# Altium PCB STM32_Controller V2.0.PcbDoc
Units mil, origin at the board's own origin, x right, y up, seen from the top; angles counter-clockwise.
Board outline 2598.43 x 2007.87 mil, 2 copper layers (Top Layer, Bottom Layer); 83 components, 55 nets, 212 pads, 48 vias.
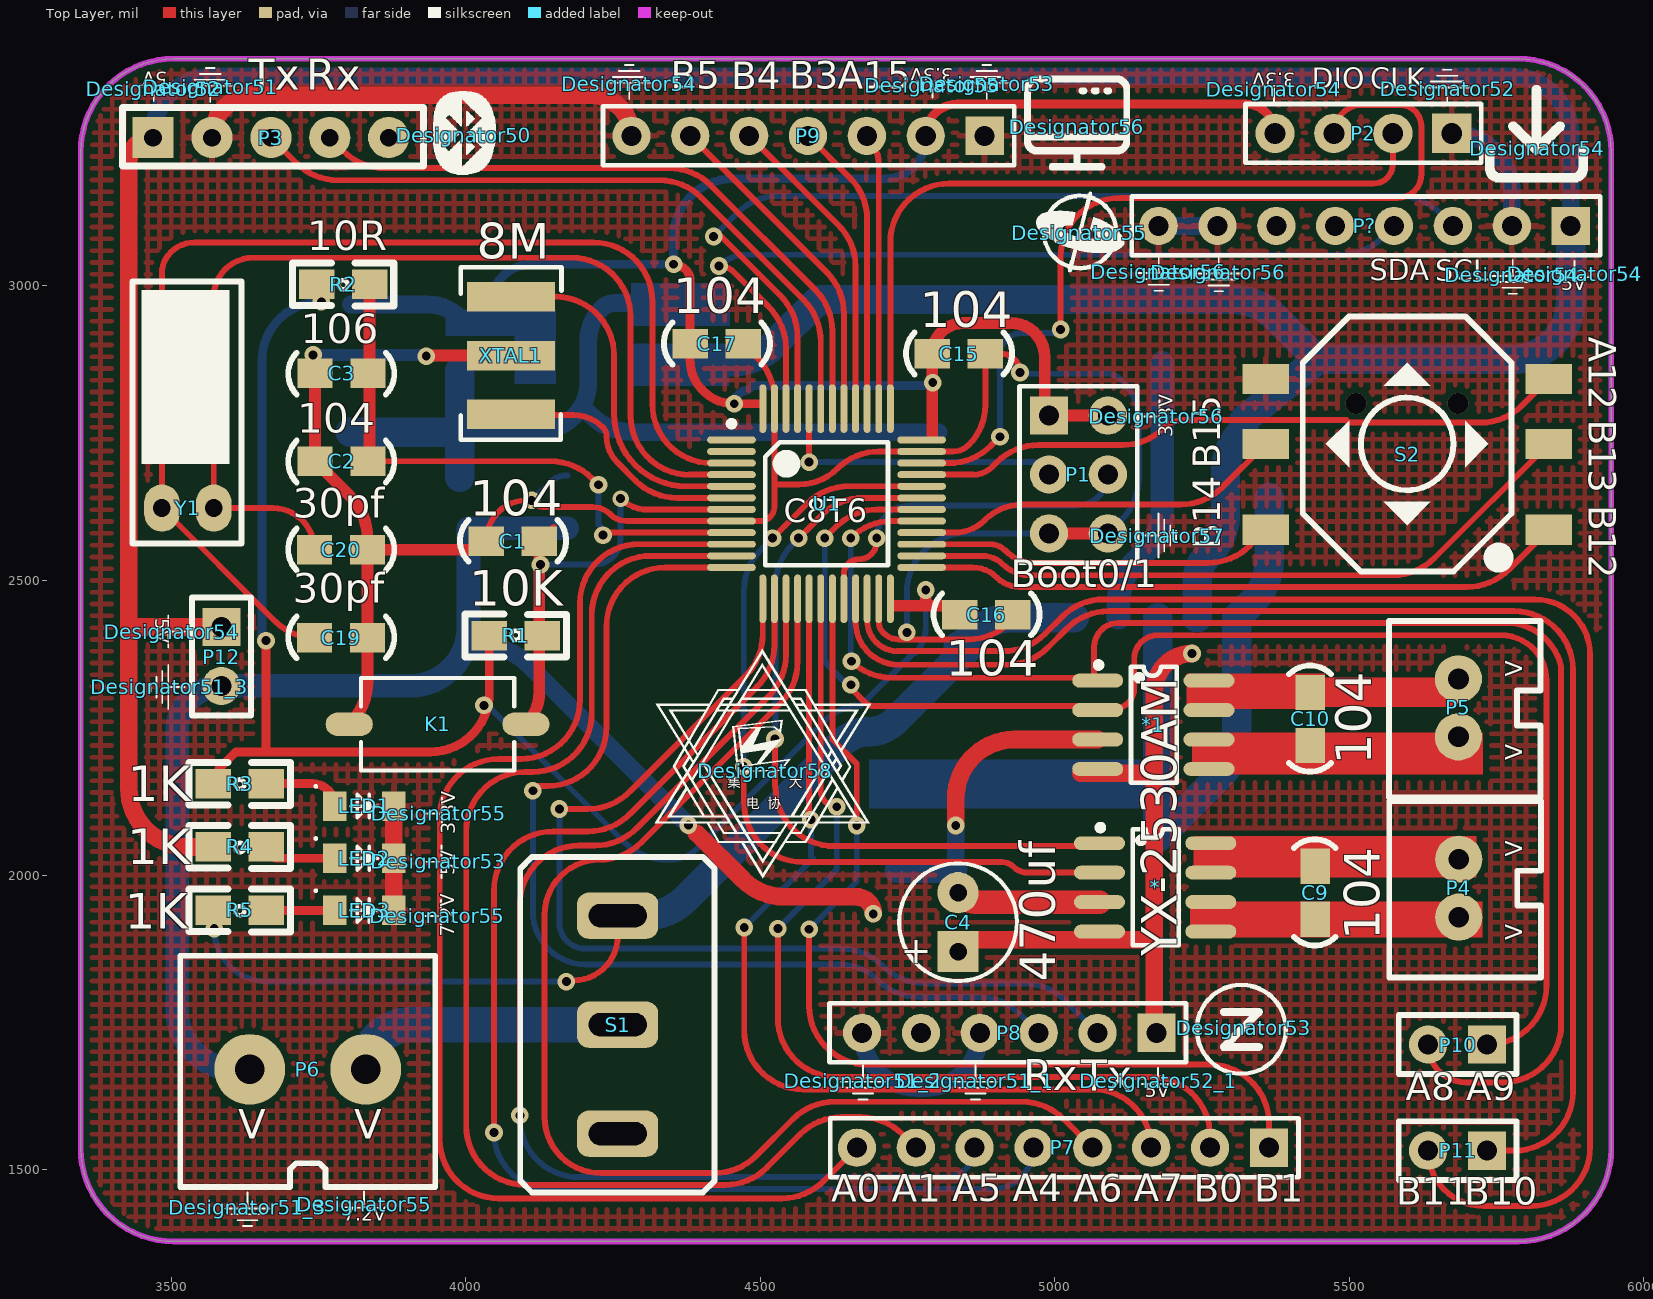
[diagram p0: Top Layer view]
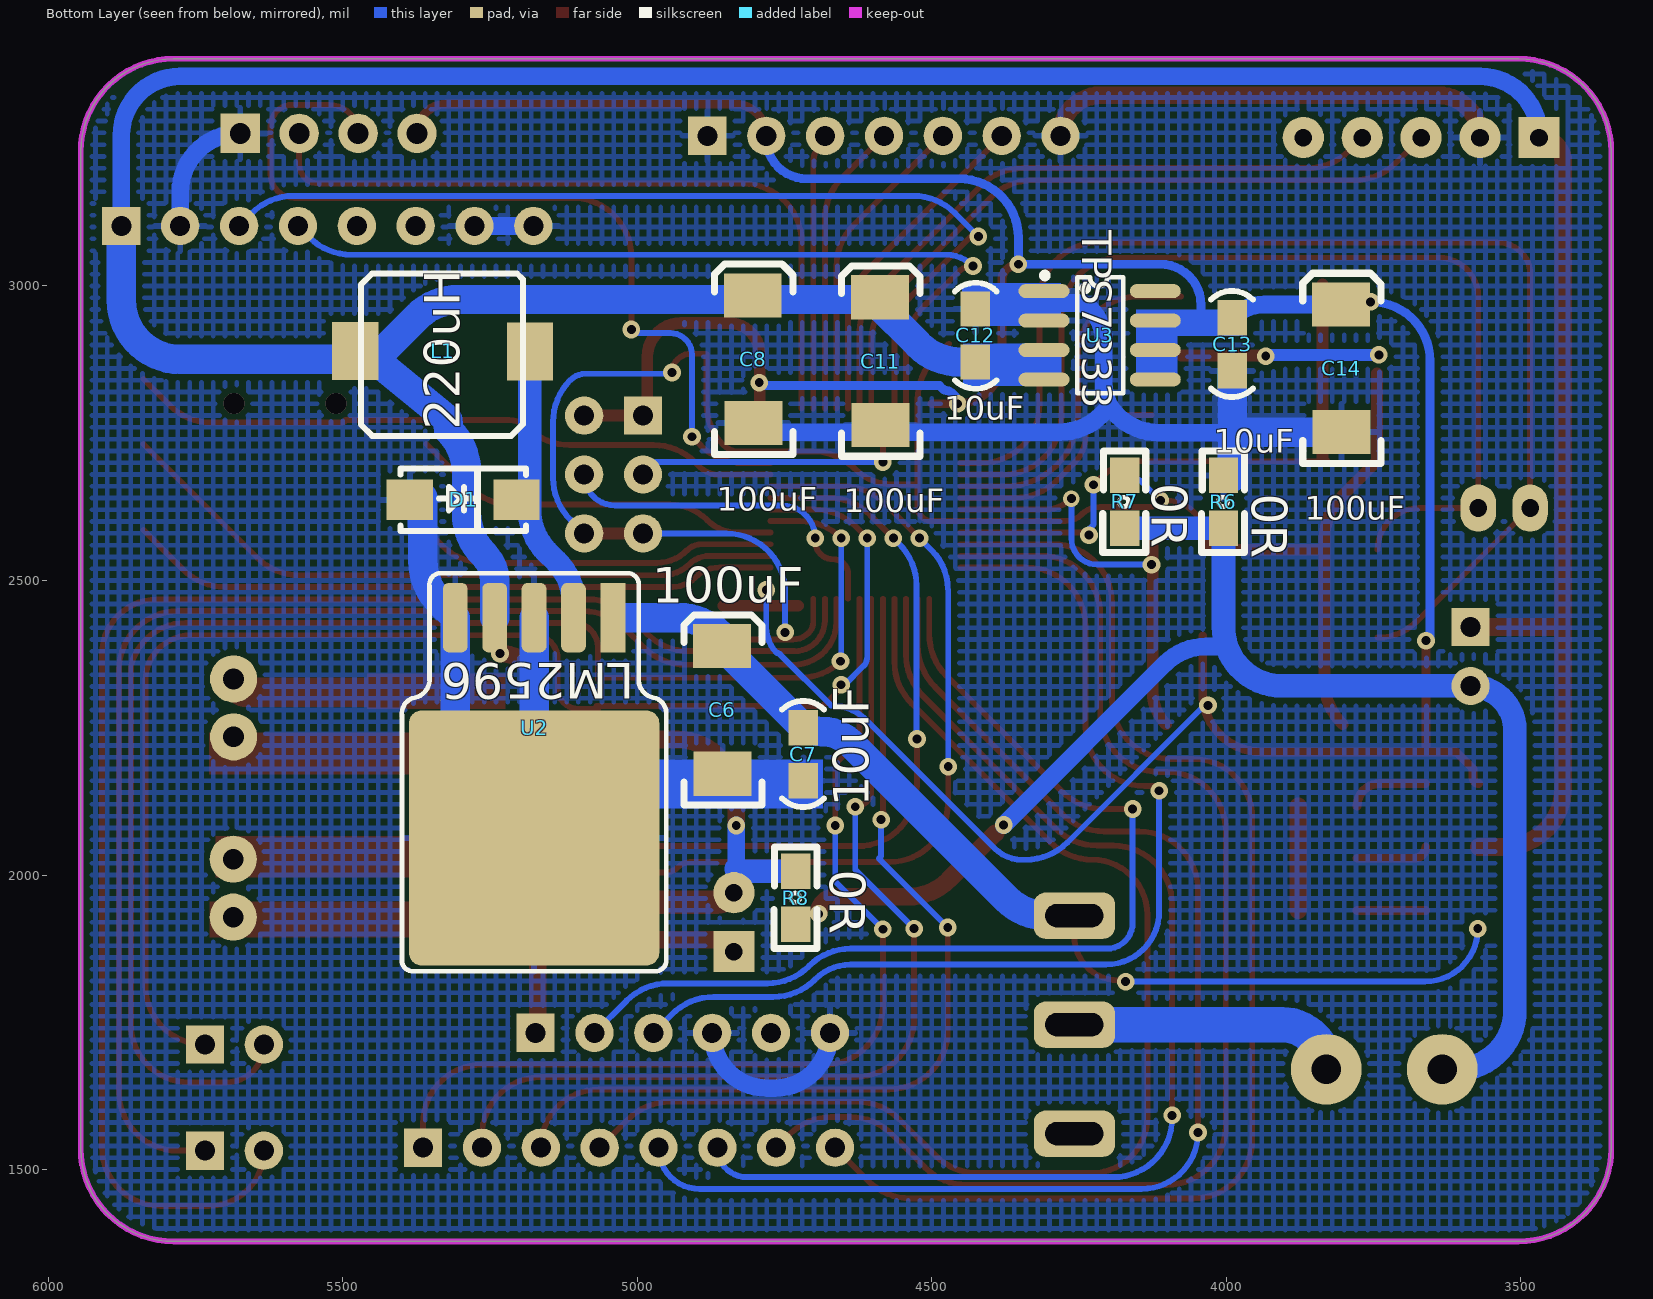
[diagram p1: Bottom Layer view, seen from below]

## Layer stack, top to bottom
Top Solder: solder mask 0.4, Solder Resist, Dk 3.5
Top Layer: signal copper 1.4
Dielectric 1: dielectric 12.6, FR-4, Dk 4.8
Bottom Layer: signal copper 1.4
Bottom Solder: solder mask 0.4, Solder Resist, Dk 3.5

## Board outline
3346.46,1535.43 3346.46,3228.35 cw(c3503.94,3228.35) 3503.94,3385.83 5787.4,3385.83 cw(c5787.4,3228.35) 5944.88,3228.35 5944.88,1535.43 cw(c5787.4,1535.43) 5787.4,1377.95 3503.94,1377.95 cw(c3503.94,1535.43)

## Design rules (kind name [scope] priority, off if disabled: settings)
Clearance [All] p1: gap=10
PolygonConnect [All] p1: connectstyle=Relief reliefconductorwidth=10 reliefentries=4 polygonreliefangle="90 Angle" airgapwidth=10
RoutingVias [All] p1: holewidth=28 width=50 viastyle="Through Hole" minholewidth=28 minwidth=50 maxholewidth=28 maxwidth=50
SolderMaskExpansion [All] p1: expansion=4
Width [All] p1: maxlimit=70 minlimit=10 preferedwidth=10 minimp=50.000000 maximp=50.000000 favimp=50.000000
30 further rules are at their usual default settings.

## Classes and differential pairs
component class STM32主控一体板: * *1 C1 C2 C3 C6 C7 C8 C9 C10 C11 C12 C13 C14 C15 C16 C17 C19 C20 D1 K1 L1 LED1 LED2 LED3 P1 P2 P3 P4 P5 P6 P7 P8 P9 P10 P11 P12 P? R1 R2 R3 R4 R5 R6 R7 R8 S1 S2 U1 U2 U3 XTAL1 Y1

## Components (designator, comment, footprint, x,y, rotation, side; value= is the part's Value field where it differs from the comment)
* "YX-2530AM" SOP-8 5077.51,2053 r0 top
*1 "YX-2530AM" SOP-8 5074.49,2329 r0 top
C1 "104" 0805C 4040,2567 r0 top
C2 "104" 0805C 3829.2,2702.46 r180 top
C3 "106" 0805C 3829.2,2851.71 r180 top
C4 "470uf" RB.1.2 4836,1870 r90 top
C6 "100uF" TAJ-C 4856,2388.73 r90 bottom
C7 "10uF" 0805C 4718,2165 r90 bottom
C8 "100uF" TAJ-C 4804,2984 r90 bottom
C9 "104" 0805C 5442,1930 r90 top
C10 "104" 0805C 5434,2225 r90 top
C11 "100uF" TAJ-C 4588,2981 r90 bottom
C12 "10uF" 0805C 4426,2956 r270 bottom
C13 "10uF" 0805C 3990,2861 r90 bottom
C14 "100uF" TAJ-C 3805.26,2968.69 r90 bottom
C15 "104" 0805C 4797.26,2884.96 r0 top
C16 "104" 0805C 4844,2442 r0 top
C17 "104" 0805C 4386,2902 r0 top
C19 "30pf" 0805C 3748.26,2402.96 r0 top
C20 "30pf" 0805C 3748.26,2552.21 r0 top
D1 "D" SMA/DO-214AC 5379.1,2636 r180 bottom
Designator50 "Comment" LOGO_Buletooth 3997,3256 r0 top
Designator51 "Comment" LOGO_GND 3567,3338 r180 top
Designator51_1 "Comment" LOGO_GND 4865,1651 r0 top
Designator51_2 "Comment" LOGO_GND 4674,1651 r0 top
Designator51_3 "Comment" LOGO_GND 3629,1436 r0 top
Designator51_3 "Comment" LOGO_GND 3497,2319.5 r270 top
Designator52 "Comment" LOGO_GND 5667,3335 r180 top
Designator52 "Comment" LOGO_Vcc 3470,3335 r180 top
Designator52_1 "Comment" LOGO_Vcc 5176,1651 r0 top
Designator53 "Comment" LOGO_Vcc 3953,2023 r90 top
Designator53 "Comment" LOGO_GND 4885,3343 r180 top
Designator53 "Comment" LOGO_Zigbee 5321,1741 r0 top
Designator54 "Comment" LOGO_Vcc 3501,2413 r270 top
Designator54 "Comment" LOGO_GND 4278,3343 r180 top
Designator54 "Comment" LOGO_GND 5777,3019 r0 top
Designator54 "Comment" LOGO_Vcc 5883,3021 r0 top
Designator54 "Comment" LOGO_Vcc 5372,3334 r180 top
Designator54 "Comment" LOGO_Load 5819,3234 r0 top
Designator55 "Comment" LOGO_Vcc 3828,1441 r0 top
Designator55 "Comment" LOGO_Vcc 3952,1931 r90 top
Designator55 "Comment" LOGO_Vcc 3954,2105 r90 top
Designator55 "Comment" LOGO_Vcc 4792,3341 r180 top
Designator55 "Comment" LOGO_Gyro 5042,3090 r0 top
Designator56 "Comment" LOGO_Vcc 5172,2779 r90 top
Designator56 "Comment" LOGO_Display 5037,3270 r0 top
Designator56 "Comment" LOGO_GND 5176,3024 r0 top
Designator56 "Comment" LOGO_GND 5278,3023 r0 top
Designator57 "Comment" LOGO_GND 5174,2576 r90 top
Designator58 "Comment" LOGO_ETA/无开窗 4509,2177 r0 top
K1 "Key" 贴片按键 4096.55,2258.76 r180 top
L1 "220uH" "电感 220uh" 5184,2891 r0 bottom
LED1 "LED" 0805LED(RED) 3780.98,2121.95 r0 top
LED2 "LED" 0805LED(GREEN) 3780,2030.5 r0 top
LED3 "LED" 0805LED(BLUE) 3782.95,1942 r0 top
P1 "Header 3X2" "Header 3X2" 4987.32,2781.48 r0 top
P2 "Header 4" "Header 4(排母)" 5675.38,3259.59 r180 top
P3 "Header 5" "Header 5" 3469.26,3251.96 r90 top
P4 "2PIN" 接线端子(2.54mm)-2PIN 5683.56,1923.16 r90 top
P5 "2PIN" 接线端子(2.54mm)-2PIN 5683,2229 r90 top
P6 "2PIN" 接线端子-2P-5.0MM 3645.26,1673.96 r0 top
P7 "Header 8" "Header 8" 5063.8,1537 r270 top
P8 "Header 6" "Header 6" 5172.75,1730.98 r270 top
P9 "Header 7" "Header 7" 4580.06,3255.02 r270 top
P10 "Header 2" "Header 2" 5632,1713 r270 top
P11 "Header 2" "Header 2" 5632,1532.81 r270 top
P12 "Header 2" "Header 2" 3584.45,2318.95 r0 top
P? "Header 8" "Header 8" 5576,3102 r270 top
R1 "10K" 0805R 4125.49,2407.2 r180 top
R2 "10R" 0805R 3751.41,3001.76 r0 top
R3 "1K" 0805R 3576,2154 r0 top
R4 "1K" 0805R 3576,2046.5 r0 top
R5 "1K" 0805R 3576,1939 r0 top
R6 "0R" 0805R 4006,2674 r270 bottom
R7 "0R" 0805R 4174,2674 r270 bottom
R8 "0R" 0805R 4732,2002 r270 bottom
S1 "钮子开关" 钮子开关(大) 4257,1565 r90 top
S2 "按键" 5轴按键 5597.26,2734.96 r180 top
U1 "C8T6" LQFP-48 4612.68,2630.43 r0 top
U2 "LM2596" TO-263-5 5177.94,2062.81 r0 bottom
U3 "TPS7333" SOP-8 4308.06,2990.29 r180 bottom
XTAL1 "8M" 三脚贴片8M晶振 4074.26,2982.2 r0 top
Y1 "XTAL" CAS-309 3511.26,2618.96 r180 top

## Footprints (in the part's own frame and the unit in brackets; to place one, negate y for a bottom-side part, rotate by r counter-clockwise, add the part's x,y. Pads: shape width x height; smd on the part's side, far side on the other; paste and mask are expansions set on the pad)
5轴按键 [mm]
  rect 2x1.3 smd: 1(-6.128,3.778) 2(-6.128,0.078) 3(-6.128,-2.722) 4(6.072,3.778) 5(6.072,0.078) 6(6.072,-2.722)
  silkscreen extent -4.53,-5.42 4.47,5.58
0805C [mil]
  rect 60x50 smd: 1(-5,0) 2(85,0)
  silkscreen extent -50,-35 131,36, body extent -16,-26 102,29, height 37
0805LED(BLUE) [mil]
  rect 40x50 smd: 1(-4.95,-2) 2(95.05,-2)
  silkscreen extent -39,-22 68,33, body extent 3,-29 85,25, height 31
0805LED(GREEN) [mil]
  rect 40x50 smd: 1(-2,-2) 2(98,-2)
  silkscreen extent -36,-22 71,33, body extent 7,-27 87,23, height 43
0805LED(RED) [mil]
  rect 40x50 smd: 1(-2.98,-4.95) 2(97.02,-4.95)
  silkscreen extent -37,-25 70,31, body extent 13,-25 80,11, height 35
0805R [mil]
  rect 60x50 smd: 1(-4.51,1.2) 2(85.49,1.2)
  silkscreen extent -46,-36 126,37, body extent -6,-25 84,29, height 30
CAS-309 [mil]
  oval 60x80 hole 30: 1(-61,-4) 2(27,-4)
  silkscreen extent -108,-389 77,56, body extent -75,-390 43,58, height 118
"Header 2" [mil]
  rect 65x65 hole 34: 1(0.81,102.01)
  round 65 hole 34: 2(0.81,2.01)
  silkscreen extent -49,-48 51,152, body extent -46,-50 54,150, height 315
"Header 3X2" [mil]
  rect 65x65 hole 34: 1(2.94,-1.52)
  round 65 hole 34: 2(102.94,-1.52) 3(2.94,-101.52) 4(102.94,-101.52) 5(2.94,-201.52) 6(102.94,-201.52)
  silkscreen extent -47,-252 153,48, body extent -46,-254 154,46, height 338
"Header 4(排母)" [mm]
  rect 1.7x1.7 hole 0.9: 1(0.035,0.015)
  round 1.7 hole 0.9: 2(2.575,0.015) 3(5.115,0.015) 4(7.655,0.015)
  silkscreen extent -1.23,-1.25 8.93,1.29, body extent -1.23,-1.25 8.93,1.29, height 8.5
"Header 5" [mil]
  rect 70x70 hole 30: 1(0,0)
  round 70 hole 30: 2(0,-100) 3(0,-200) 4(0,-300) 5(0,-400)
  silkscreen extent -48,-459 51,52, body extent -51,-450 49,50, height 336
"Header 6" [mil]
  rect 65x65 hole 34: 1(-1.02,0.06)
  round 65 hole 34: 2(-1.02,-99.94) 3(-1.02,-199.94) 4(-1.02,-299.94) 5(-1.02,-399.75) 6(-1.02,-499.75)
  silkscreen extent -51,-555 49,50, body extent -50,-554 50,46, height 336
"Header 7" [mil]
  rect 65x65 hole 34: 1(0,301)
  round 65 hole 34: 2(0,201) 3(0,101) 4(0,1) 5(0,-98.8) 6(0,-198.8)
  round 65 hole 34 paste+0: 7(0,-298.61)
  silkscreen extent -50,-347 50,351, body extent -50,-349 50,351, height 336
"Header 8" [mil]
  rect 65x65 hole 34: 1(0,300)
  round 65 hole 34: 2(0,200) 3(0,100) 4(0,0) 5(0,-99.8) 6(0,-199.8) 8(0,-399.61)
  round 65 hole 34 paste+0: 7(0,-299.61)
  silkscreen extent -50,-445 50,350, body extent -49,-451 51,349, height 336
LOGO_Buletooth [mil]
  silkscreen extent -52,-66 54,75
LOGO_Display [mil]
  silkscreen extent -89,-72 90,87
LOGO_ETA/无开窗 [mil]
  silkscreen extent -188,-182 180,207
LOGO_GND [mil]
  silkscreen extent -37,-32 38,26
LOGO_Gyro [mil]
  silkscreen extent -74,-66 76,70
LOGO_Load [mil]
  silkscreen extent -88,-57 86,107
LOGO_Vcc [mil]
  silkscreen extent -28,-6 27,22
LOGO_Zigbee [mil]
  silkscreen extent -82,-80 74,75
LQFP-48 [mm]
  oval 2.1x0.3 smd: 1(-4.1,2.75) 2(-4.1,2.25) 3(-4.1,1.75) 4(-4.1,1.25) 5(-4.1,0.75) 6(-4.1,0.25) 7(-4.1,-0.25) 8(-4.1,-0.75) 9(-4.1,-1.25) 10(-4.1,-1.75) 11(-4.1,-2.25) 12(-4.1,-2.75) 25(4.1,-2.75) 26(4.1,-2.25) 27(4.1,-1.75) 28(4.1,-1.25) 29(4.1,-0.75) 30(4.1,-0.25) 31(4.1,0.25) 32(4.1,0.75) 33(4.1,1.25) 34(4.1,1.75) 35(4.1,2.25) 36(4.1,2.75)
  oval 0.3x2.1 smd: 13(-2.75,-4.1) 14(-2.25,-4.1) 15(-1.75,-4.1) 16(-1.25,-4.1) 17(-0.75,-4.1) 18(-0.25,-4.1) 19(0.25,-4.1) 20(0.75,-4.1) 21(1.25,-4.1) 22(1.75,-4.1) 23(2.25,-4.1) 24(2.75,-4.1) 37(2.75,4.1) 38(2.25,4.1) 39(1.75,4.1) 40(1.25,4.1) 41(0.75,4.1) 42(0.25,4.1) 43(-0.25,4.1) 44(-0.75,4.1) 45(-1.25,4.1) 46(-1.75,4.1) 47(-2.25,4.1) 48(-2.75,4.1)
  silkscreen extent -4.22,-2.65 2.65,3.57, body extent -4.5,-4.5 4.5,4.5, height 1.5
RB.1.2 [mil]
  rect 70x70 hole 30: 1(0,0)
  round 70 hole 30: 2(100,0)
  silkscreen extent -50,-100 150,100, body extent -28,-73 130,85, height 278
SMA/DO-214AC [mm]
  rect 2x1.75 smd: 1(-0.178,0.025) 2(4.422,0.025)
  silkscreen extent -0.58,-1.32 4.82,1.38, body extent -0.38,-1.32 4.73,1.35, height 2.12
SOP-8 [mm]
  oval 2.2x0.6 smd: 1(-0.038,0.025) 2(-0.038,-1.245) 3(-0.038,-2.515) 4(-0.038,-3.785) 5(4.762,-3.785) 6(4.762,-2.515) 7(4.762,-1.245) 8(4.762,0.025)
  silkscreen extent -0.12,-4.38 3.37,0.82, body extent -0.62,-4.33 5.38,0.58, height 1.7
TAJ-C [mm]
  rect 1.905x2.5 smd: 1(0,0) 2(-5.505,-0.025)
  silkscreen extent -6.86,-1.73 1.35,1.65, body extent -5.77,-1.67 0.23,1.53, height 2.6
TO-263-5 [mm]
  rect 1.07x3 smd: 1(-3.47,-9.503)
  rrect50% 1.07x3 smd: 2(-1.77,-9.503) 3(-0.07,-9.503) 4(1.63,-9.503) 5(3.33,-9.503)
  rrect10% 10.8x11 smd: 6(-0.07,-0.003)
  silkscreen extent -5.77,-11.41 5.63,5.75, body extent -5.21,-9.55 5.02,4.8, height 4.48
三脚贴片8M晶振 [mm] "CSTCC8M00G53-RO"
  rect 3.8x1.27 smd: 1(0.06,-0.006) 2(0.06,-5.086) 3(0.06,-2.546)
  silkscreen extent -2.1,-6.18 2.24,1.26, body extent -1.72,-6.23 1.84,1.26, height 1.5
接线端子(2.54mm)-2PIN [mil]
  round 80 hole 35: 1(5.42,-2.44) 2(103.84,-2.44)
  silkscreen extent -97,-142 202,116, body extent -49,-139 151,111, height 460
接线端子-2P-5.0MM [mil]
  round 120 hole 50: 1(-11.81,-3.94) 2(185.04,-3.94)
  silkscreen extent -130,-203 303,189, body extent -106,-154 287,161, height 433
"电感 220uh" [mm]
  rect 2x2.5 smd: 1(-0.048,0.065) 2(7.496,0.04)
  silkscreen extent 0.26,-3.31 7.25,3.69, body extent 0.2,-3.4 7.32,3.71, height 4
贴片按键 [mil]
  oval 80x40 smd: 1(-5.71,2.8) 2(294.29,2.8)
  silkscreen extent 14,-76 274,82, body extent 24,-69 264,77, height 98
钮子开关(大) [mm]
  rrect50% 2x3.5 hole 1 slot 2.5 at 90 deg: 1(-0.102,-0.025) 2(4.598,-0.025) 3(9.298,-0.025)
  silkscreen extent -2.64,-4.21 11.83,4.17

## Part data
C1 C2 C3 C7 C9 C10 C12 C13 C15 C16 C17 C19 C20: library part Cap1, "无极贴片电容"
C4: library part Cap3, "直插极性电容"
C6 C8 C11 C14: library part "Pol Cap", "极性贴片电容"
D1: library part Diode, "二极管"
K1: library part 轻触按键, "轻触开关"
L1: library part L, "电感"
LED1 LED2 LED3: "发光二极管"
P1: "双排排针"
P2 P3 P7 P8 P9 P10 P11 P12 P?: "排针"
P4 P5 P6: library part 接线端子-2PIN
R1 R2 R3 R4 R5 R6 R7 R8: library part Res, "电阻"
S1: "大功率开关"
S2: library part 5轴按键, "5轴按键"
U1: library part STM32F103C8T6, "STM32单片机48引脚"
U2: "5V电源芯片"
U3: "3.3V电源芯片"
XTAL1: library part XTAL三脚贴片晶振
Y1: "两脚直插晶振"

## Via types
v1: diameter 30, hole 15, Top Layer to Bottom Layer, 45 vias
v2: diameter 35.43, hole 35.43, Top Layer to Bottom Layer, 2 vias
v3: diameter 28, hole 15, Top Layer to Bottom Layer, 1 vias

## Nets (pads, with @x,y where several pads share a name; then routed paths per layer and width w, separated by ;. In a path a pad name is that pad's centre, name@x,y a point inside that pad or via, vN(x,y) a via of type N, cw(c..) or ccw(c..) an arc to the next point about the centre after c; other vN are vias at no path point)
3.3V: C13.2 C14.1 C15.1 C16.1 C17.1 P1.1 P1.2 P2.4 P9.2 R1.2 R2.1 R3.1 U1.24 U1.36 U1.48 U3.5 U3.6 U3.7 | length 5784
  Top Layer w15: R3.1 ccw(c3571.49,2164.72) 3581,2164.72 3581,2180 3610,2209 3662,2209 ; v1(3661,2398) 3661,2210 ccw(c3662,2210) 3662,2209 ; R1.2 4040,2309 cw(c3940,2309) 3940,2209 3662,2209 ; v1@4356,3035 cw(c4356,3010) 4381,3010 C17.1 4381,2875 ccw(c4456,2875) v1(4456,2800) U1.48@4500,2800 ; P9.2 cw(c4835.04,3255.02) 4835.04,3309 5324,3309 cw(c5324,3259) P2.4
  Top Layer w20: 4727,2457 4781,2457 ; v1(4781,2484) 4781,2457 ; 4792.26,2745 C15.1 cw(c4844.3,2884.96) 4844.3,2937 4926,2937 cw(c4926,2880) 4983,2880 4983,2787.22 ccw(c4990.26,2787.22) P1.1 P1.2 ; C16.1@4854,2457 4781,2457
  Bottom Layer w10: v1@4039,2286 4269.71,2055.29 ccw(c4340.42,2126) 4340.42,2026 4346.42,2026 ccw(c4346.42,2092.58) 4393.5,2045.5 4611.25,2263.25 cw(c4671,2203.5) 4671,2288 4758,2375 cw(c4763.12,2369.88) 4763.12,2377.12 ccw(c4719.96,2420.28) 4781,2420.28 v1(4781,2484)
  Bottom Layer w15: v1(3661,2398) 3654,2405 3654,2873 cw(c3754,2873) 3754,2973 v1(3755,2973) ; 4044,2952 cw(c4044,2953) 4043,2953 4043,2968 cw(c4112,2968) 4112,3037 v1(4353,3037) 4353,3082 cw(c4453,3082) 4453,3182 4712,3182 ccw(c4712,3251.06) 4781.06,3251.06 P9.2 ; v1(4456,2800) cw(c4479,2800) 4479,2823 4487.11,2831.11 4788.11,2831.11 v1(4793,2836)
  Bottom Layer w30: C14.1 3935.21,2968.69 cw(c3935.21,2891.21) C13.2
  other v1: 4031,2288
5V: *1.4 *.4 C4.1 C8.1 C11.1 C12.2 L1.2 P3.1 P8.1 P12.1 P?.1 R4.1 U2.4 U3.3 U3.4 | length 7542.3
  Top Layer w30: P3.1 ccw(c3469.26,3210.7) 3428,3210.7 3428,2420.96 ; R4.1 3528,2047.7 cw(c3528,2147.7) 3428,2147.7 3428,2420.96 ; P12.1 3428,2420.96 ; C4.1 4856,1890 5169,1890 ; *1.4@5044,2173 5169,2173 ; P8.1@5169,1730 5169,1890 ; v1(5233,2376) ccw(c5233,2312) 5169,2312 5169,2173 ; 5169,1890 5169,2173
  Bottom Layer w30: P3.1 3469.26,3255.83 cw(c3569.26,3255.83) 3569.26,3355.83 5776,3355.83 cw(c5776,3255.83) 5876,3255.83 P?.1
  Bottom Layer w50: C12.2 4452.15,2871 ccw(c4452.15,2971) 4522.86,2900.29 4595.57,2973 4599,2973 4603.06,2977.06 5303.07,2977.06 cw(c5303.07,2877.06) 5373.79,2947.77 L1.2@5446.11,2875.44 ; U2.4 5242.12,2499.36 cw(c5305.6,2499.36) 5260.71,2544.25 ccw(c5190,2614.96) 5290,2614.96 5290,2683.58 cw(c5390,2683.58) 5319.29,2754.29 5320,2755 5321.75,2773.07 L1.2@5446.11,2875.44 ; P?.1 5876,2975.44 cw(c5776,2975.44) 5776,2875.44 L1.2@5446.11,2875.44
7.2V: C6.1 C7.2 R5.1 S1.3 U2.1 | length 1792
  Top Layer w10: v1@4183,1821 ccw(c4183,1896) 4258,1896 S1.3
  Bottom Layer w10: v1(3573,1909) ccw(c3663,1909) 3663,1819 v1(4171,1819)
  Bottom Layer w50: S1.3 4303.66,1931.08 ccw(c4303.66,2031.08) 4374.37,1960.37 4637.18,2223.18 cw(c4686.42,2173.95) 4686.42,2243.58 ccw(c4686.42,2302.55) 4728.12,2260.85 C6.1 ; C6.1@4836.42,2388.42 cw(c4842,2382.84) 4842,2390.73 4858.94,2407.67 cw(c4929.65,2336.96) 4929.65,2436.96 U2.1@5033,2436.96
ADC12_IN0: P7.8 U1.10 | length 2173.6
  Top Layer w10: U1.10 4294,2561.54 ccw(c4294,2461.54) 4194,2461.54 4194,2297 cw(c4094,2297) 4094,2197 4056,2197 ccw(c4056,2097) 3956,2097 3956,1551 ccw(c4056,1551) 4056,1451 4536.78,1451 ccw(c4536.78,1551) 4607.49,1480.29 P7.8
ADC12_IN1: P7.7 U1.11 | length 2165.9
  Top Layer w10: U1.11 4314,2541.85 ccw(c4314,2441.85) 4214,2441.85 4214,2275 cw(c4114,2275) 4114,2175 4101,2175 ccw(c4101,2075) 4001,2075 4001,1574 ccw(c4101,1574) 4101,1474 4440.58,1474 ccw(c4440.58,1574) 4511.29,1503.29 4567.71,1559.71 cw(c4638.42,1489) 4638.42,1589 4670.78,1589 cw(c4670.78,1489) 4741.49,1559.71 P7.7
ADC12_IN4: P7.5 U1.14 | length 2180.2
  Top Layer w10: v1(4048,1563) 4048,1974 cw(c4148,1974) 4148,2074 4207.58,2074 ccw(c4207.58,2174) 4278.29,2103.29 4494.81,2319.81 ccw(c4424.09,2390.52) 4524.09,2390.52 U1.14
  Bottom Layer w10: v1(4048,1563) ccw(c4144,1563) 4144,1467 4894,1467 ccw(c4894,1537) P7.5
ADC12_IN5: P7.6 U1.15 | length 1974.2
  Top Layer w10: v1(4092,1592) 4092,1950 cw(c4192,1950) 4192,2050 4219.58,2050 ccw(c4219.58,2150) 4290.29,2079.29 4514.49,2303.49 ccw(c4443.78,2374.2) 4543.78,2374.2 U1.15
  Bottom Layer w10: v1(4092,1592) 4092,1587 ccw(c4192,1587) 4192,1487 4814,1487 ccw(c4814,1537) P7.6
ADC12_IN6: P7.4 U1.16 | length 2141.8
  Top Layer w10: U1.16 4563.46,2361.89 cw(c4463.46,2361.89) 4534.18,2291.18 4298.29,2055.29 cw(c4227.58,2126) 4227.58,2026 ccw(c4227.58,1932.42) 4134,1932.42 4134,1589 ccw(c4229,1589) 4229,1494 4422.58,1494 ccw(c4422.58,1594) 4493.29,1523.29 4555.71,1585.71 cw(c4626.42,1515) 4626.42,1615 4944.38,1615 cw(c4944.38,1515) 5015.09,1585.71 P7.4
ADC12_IN7: P7.3 U1.17 | length 1593.2
  Top Layer w10: v1(4473,1911) 4473,1736 ccw(c4573,1736) 4573,1636 5064.8,1636 cw(c5064.8,1537) P7.3 ; U1.17 4583.15,2107.15 cw(c4582,2107.15) 4582,2106 4590,2098 v1(4586,2094)
  Bottom Layer w10: v1(4473,1911) 4590,2028 4586,2032 v1(4586,2094)
ADC12_IN8: P7.2 U1.18 | length 1636.9
  Top Layer w10: v1(4530,1909) 4530,1757 ccw(c4630,1757) 4630,1657 5163.8,1657 cw(c5163.8,1557) 5263.8,1557 P7.2 ; U1.18 4602.83,2143.17 ccw(c4630,2143.17) v1(4630,2116)
  Bottom Layer w10: v1(4530,1909) 4630,2009 v1(4630,2116)
ADC12_IN9: P7.1 U1.19 | length 1677.6
  Top Layer w10: v1(4583,1908) 4583,1778 ccw(c4683,1778) 4683,1678 5263.8,1678 cw(c5263.8,1578) 5363.8,1578 P7.1 ; 4622.52,2230.48 U1.19 ; 4622.83,2230.48 4622.83,2230.17 4664,2189 v1(4664,2084)
  Bottom Layer w10: v1(4583,1908) 4664,1989 v1(4664,2084)
AGND: C6.2 C7.1 C8.2 C11.2 C12.1 C13.1 C14.2 D1.1 LED1.2 LED2.2 LED3.2 P2.1 P3.2 P8.4 P8.6 P9.1 P9.7 P?.2 P?.7 P?.8 R6.1 S2.6 U2.3 U2.5 U2.6 U3.1 U3.2 | length 4060.2
  Top Layer w30: P3.2 cw(c3641.3,3251.96) 3641.3,3324 4212.48,3324 cw(c4212.48,3255.02) P9.7 ; LED3.2 LED2.2 LED1.2
  Bottom Layer w30: 3990,2751 4114.58,2751 ccw(c4114.58,2851) 4185.29,2780.29 ccw(c4130.46,2835.12) 4197.3,2795.82 ; 4285,2971 4252.73,2971 ccw(c4252.73,2940.27) 4231,2962 ccw(c4286.53,2906.47) 4208,2906.47 4208,2835.12 cw(c4130.46,2835.12) 4197.3,2795.82 ; 4301.17,2968 ccw(c4301.17,2974.83) 4306,2970 ; P8.6 ccw(c4767,1732) 4767,1638 4778.8,1638 ccw(c4778.8,1732) P8.4 ; C8.2@4803.26,2751.96 4282.59,2751.96 cw(c4282.59,2851.96) 4211.88,2781.25 4197.3,2795.82 ; P?.8 P?.7 ; P2.1 5676,3259 cw(c5676,3159) 5776,3159 P?.2
  Bottom Layer w50: C14.2 3987.68,2751.96 cw(c3987.68,2748.68) 3990,2751 ; R6.1@3990,2675 3990,2751 ; C13.1 3990,2751 ; U2.3 U2.6 5279.76,2167.51 ccw(c5209.05,2238.22) 5309.05,2238.22 U2.5 5334.71,2462.62 ccw(c5264,2533.34) 5364,2533.34 D1.1@5364,2641
BOOT0: P1.3 U1.44 | length 508
  Top Layer w10: v1(4583,2701) 4583.15,2701.15 U1.44
  Bottom Layer w10: v1(4583,2701) 4969.22,2701 4983.22,2687 cw(c4983.22,2679.96) P1.3
BOOT1: P1.4 U1.20 | length 588.7
  Top Layer w10: U1.20 4642.2,2511.2 cw(c4667,2511.2) 4667,2536 ccw(c4667,2567) 4698,2567 v1(4698,2572)
  Bottom Layer w10: v1(4698,2572) cw(c4753.46,2572) 4753.46,2627.46 5037.76,2627.46 ccw(c5037.76,2679.96) P1.4
DGND: C1.1 C2.2 C3.2 C15.2 C16.2 C17.2 C19.2 C20.2 K1.2 P1.5 P1.6 R7.1 U1.8 U1.23 U1.35 U1.47 XTAL1.3 | length 3908.6
  Top Layer w10: C1.1 cw(c4105.01,2567) 4055.51,2616.51 cw(c4102.57,2569.44) 4102.57,2636 v1(4112,2636) 4117.34,2630.66 ccw(c4131,2644.31) 4131,2625 4214.62,2625 cw(c4214.62,2580.62) 4246,2612 ccw(c4272.78,2638.78) 4272.78,2600.91 U1.8 4499.91,2600.91 ccw(c4499.91,2625.09) 4524.09,2625.09 4524.09,2663 ; C17.2 4494.81,2878.19 cw(c4424.09,2807.48) 4524.09,2807.48 U1.47 4524.09,2663 ; U1.23 4701.26,2429.69 ccw(c4727.69,2429.69) 4709,2411 ccw(c4735.56,2437.56) 4735.56,2400 4853.58,2400 ccw(c4853.58,2500) 4924.29,2429.29 C16.2@4933,2438 ; v1(4941,2853) ccw(c4909.04,2853) 4909.04,2884.96 C15.2 4882.26,2798.23 cw(c4785.77,2798.23) 4854,2730 cw(c4827.48,2756.52) 4827.48,2719.02 U1.35 4701.44,2719.02 ccw(c4701.44,2619.02) 4630.73,2689.73 cw(c4566.2,2754.25) 4566.2,2663 4524.09,2663
  Top Layer w20: C3.2 C2.2 3803.97,2642.69 cw(c3733.26,2571.98) 3833.26,2571.98 C20.2 ; K1.2 3803.97,2257.67 ccw(c3733.26,2328.38) 3833.26,2328.38 C19.2 C20.2 ; v1(3933,2881) cw(c3933.96,2881) 3933.96,2881.96 XTAL1.3 ; C1.1 cw(c4020.21,2567) 4020.21,2552.21 C20.2 ; P1.5 P1.6
  Bottom Layer w10: v1(4112,2636) 4141.58,2665.58 cw(c4172.8,2634.37) R7.1 ; v1(4749,2412) 4749,2479.96 cw(c4849,2479.96) 4849,2579.96 P1.5 ; v1@4954,2851 5087.85,2851 cw(c5087.85,2814.43) 5113.71,2840.29 cw(c5043,2769.58) 5143,2769.58 5143,2674.12 cw(c5043,2674.12) 5113.71,2603.41 P1.6
  Bottom Layer w20: v1(3741,2883) 3931,2883 cw(c3931,2881) v1(3933,2881)
GND: P6.1 P12.2 R6.2 R7.2 R8.2 | length 2443.6
  Top Layer w30: 4392,2071 4470.71,1992.29 ccw(c4541.42,2063) 4541.42,1963 4663,1963 cw(c4663,1934) v1(4692,1934)
  Bottom Layer w30: 3999.18,2387.94 4033.64,2387.94 cw(c4033.64,2287.94) 4104.35,2358.65 v1(4378,2085)
  Bottom Layer w40: P6.1 3610,1670.02 cw(c3610,1770.02) 3510,1770.02 3510,2245.7 cw(c3585.26,2245.7) P12.2 3904.8,2320.96 ccw(c3904.8,2420.96) 3999.18,2387.94 ccw(c3904.8,2420.96) 4004.8,2420.96 R6.2 R7.2
I2C1_SCL: P?.3 U1.45 | length 1650.3
  Top Layer w10: v1@4425,3093 4534.18,2983.82 cw(c4463.46,2913.11) 4563.46,2913.11 U1.45
  Bottom Layer w10: v1(4421,3084) 4460.71,3123.71 cw(c4531.42,3053) 4531.42,3153 5583.58,3153 cw(c5583.58,3053) 5654.29,3123.71 P?.3
I2C1_SDA: P?.4 U1.46 | length 1459.3
  Top Layer w10: v1(4430,3034) cw(c4430,2997.79) 4455.61,3023.39 4514.49,2964.51 cw(c4443.78,2893.8) 4543.78,2893.8 U1.46
  Bottom Layer w10: v1(4430,3034) cw(c4475.87,2988.13) 4475.87,3053 5485.58,3053 ccw(c5485.58,3153) 5556.29,3082.29 P?.4
KEY0: S2.1 U1.25 | length 1109.2
  Top Layer w10: U1.25 4860.56,2522.17 cw(c4860.56,2463.56) 4902,2505 ccw(c4940.63,2543.63) 4940.63,2489 5699.89,2489 ccw(c5699.89,2589) 5770.6,2518.29 S2.1
KEY1: S2.2 U1.26 | length 1161.3
  Top Layer w10: U1.26 4882.58,2541.85 4882.9,2541.54 cw(c4877.38,2493.38) 4911.65,2527.65 ccw(c4956.69,2572.69) 4956.69,2509 5574.22,2509 ccw(c5574.22,2609) 5644.93,2538.29 S2.2
KEY2: S2.3 U1.33 | length 1118.5
  Top Layer w10: U1.33 4861.76,2679.65 ccw(c4861.76,2725.24) 4894,2693 4901.71,2700.71 cw(c4972.42,2630) 4972.42,2730 5114.99,2730 ccw(c5114.99,2829.01) 5185,2759 cw(c5217.51,2726.49) 5217.51,2772.47 5494.35,2772.47 cw(c5494.35,2757.41) 5495.4,2772.43 ; 5494.61,2771.64 ccw(c5503.4,2780.43) 5503.4,2768 5722.98,2768 ccw(c5722.98,2868) 5793.69,2797.29 S2.3
KEY3: S2.4 U1.27 | length 611.5
  Top Layer w10: U1.27 4890.57,2561.54 cw(c4890.57,2525.57) 4916,2551 ccw(c4966.7,2601.7) 4966.7,2530 5260.57,2530 ccw(c5260.57,2630) 5331.28,2559.29 S2.4
KEY4: S2.5 U1.28 | length 635.2
  Top Layer w10: U1.28 4829.42,2581.22 ccw(c4829.42,2655.58) 4882,2603 cw(c4944.77,2540.23) 4944.77,2629 5213.9,2629 ccw(c5213.9,2729) 5284.61,2658.29 S2.5
Net*1_5: *1.5 *1.6 C10.1 P5.1
Net*1_7: *1.7 *1.8 C10.2 P5.2 | length 264.5
  Top Layer w50: C10.2 5662.6,2310 ccw(c5662.6,2332.84) P5.2
Net*_5: *.5 *.6 C9.1 P4.1
Net*_7: *.7 *.8 C9.2 P4.2
NetC2_1: C2.1 C3.1 R2.2 U1.9 | length 1016.2
  Top Layer w10: C2.1 4144.12,2702.46 cw(c4144.12,2602.46) 4214.83,2673.17 v1(4225.41,2662.59) ; v1(4233,2577) 4237.22,2581.22 U1.9
  Top Layer w20: C2.1 ccw(c3834.2,2705.15) 3836.9,2705.15 R2.2
  Bottom Layer w10: v1(4225.41,2662.59) 4225.41,2594.83 4236,2584.24 cw(c4225.76,2584.24) v1(4233,2577)
NetD1_2: D1.2 L1.1 U2.2 | length 455.3
  Bottom Layer w40: U2.2 5108.26,2461.84 cw(c5208.26,2461.84) 5137.55,2532.55 5153.61,2548.61 ccw(c5082.9,2619.32) 5182.9,2619.32 L1.1@5182.9,2870
NetLED1_1: LED1.1 R3.2 | length 138.3
  Top Layer w15: R3.2 3739.8,2155.2 cw(c3739.8,2117) LED1.1
NetLED2_1: LED2.1 R4.2 | length 127.5
  Top Layer w15: R4.2 ccw(c3680.69,2047.7) 3680.69,2028.5 LED2.1
NetLED3_1: LED3.1 R5.2 | length 116.7
  Top Layer w15: R5.2 3661.49,1940 LED3.1
NRST: C1.2 K1.1 R1.1 U1.7 | length 778.5
  Top Layer w10: C1.2 C1.2@4149.3,2591.3 ; v3(4263,2639) ccw(c4307.44,2683.44) 4301.16,2620.91 ; 4301.16,2620.59 U1.7
  Top Layer w20: K1.1 ccw(c4047.36,2310.86) 4125,2310.86 C1.2
  Bottom Layer w10: v1@4124,2530 ccw(c4127,2530) v1(4127,2527) 4219,2527 ccw(c4219,2571) 4263,2571 v3(4263,2639)
OLED_D0: P9.3 U1.38 | length 468.6
  Top Layer w10: P9.3 cw(c4632.3,3206.26) 4701.26,3206.26 U1.38
OLED_D1: P9.4 U1.39 | length 500.5
  Top Layer w10: P9.4 4652.29,3183.8 cw(c4581.57,3113.09) 4681.57,3113.09 U1.39
OLED_DC: P9.6 U1.41 | length 567
  Top Layer w10: P9.6 4612.92,3023.37 cw(c4542.2,2952.66) 4642.2,2952.66 U1.41
OLED_RES: P9.5 U1.40 | length 533.7
  Top Layer w10: P9.5 4632.6,3103.68 cw(c4561.89,3032.97) 4661.89,3032.97 U1.40
OSC32_IN: C19.1 U1.3 Y1.2 | length 2029.7
  Top Layer w10: C19.1 cw(c3743.26,2497.11) 3676.68,2430.54 Y1.2 3484.26,3021.41 cw(c3534.59,3021.41) 3499,3057 cw(c3540.04,3015.96) 3540.04,3074 4217,3074 cw(c4217,2974) 4317,2974 4317,2799.33 ccw(c4417,2799.33) 4417,2699.33 U1.3
OSC32_OUT: C20.1 U1.4 Y1.1 | length 1769.3
  Top Layer w10: C20.1 ccw(c3672.51,2552.21) 3672.51,2622.96 Y1.1 3572.26,2981.26 cw(c3639,2981.26) 3639,3048 4180,3048 cw(c4180,2948) 4280,2948 4280,2779.65 ccw(c4380,2779.65) 4380,2679.65 U1.4
OSC_IN: U1.5 XTAL1.1 | length 601.1
  Top Layer w10: XTAL1.1 4152,2981.96 cw(c4152,2881.96) 4252,2881.96 4252,2782.55 ccw(c4374.59,2782.55) 4374.59,2659.96 U1.5
OSC_OUT: U1.6 XTAL1.2 | length 392.4
  Top Layer w10: XTAL1.2@4126.67,2780.82 4183.25,2780.82 cw(c4183.25,2710.97) 4232.64,2760.36 cw(c4217.27,2745) 4239,2745 ccw(c4301.77,2745) 4257.38,2700.62 4288.44,2669.57 ccw(c4359.15,2740.28) 4359.15,2640.28 U1.6
PGND: *1.3 *.3 C4.2 R8.1 | length 777.4
  Top Layer w30: v1(4832,2084) 4832,2130 cw(c4932,2130) 4932,2230 *1.3
  Top Layer w40: C4.2@4836,1983 ccw(c4865,1983) 4865,1954 *.3
  Bottom Layer w30: 4832,2011 v1(4832,2084)
  Bottom Layer w40: R8.1 4827.51,2006.51 ccw(c4827.51,2011) 4832,2011
SWCLK: P2.2 U1.37 | length 1263.2
  Top Layer w10: U1.37 4720.94,3074 cw(c4820.94,3074) 4820.94,3174 5541.24,3174 ccw(c5541.24,3206.76) 5574,3206.76 P2.2
SWDIO: P2.3 U1.34 | length 1507.9
  Top Layer w10: U1.34 4820.91,2699.33 ccw(c4820.91,2799.33) 4891.62,2728.62 v1(4907,2744) ; v1(5010,2926) 5010,3049.5 cw(c5110,3049.5) 5110,3149.5 5582.22,3149.5 ccw(c5582.22,3189.74) 5622.46,3189.74 5622.46,3271 ccw(c5586,3271) 5586,3307.46 5522.46,3307.46 ccw(c5522.46,3259) P2.3
  Bottom Layer w10: v1(4907,2744) 4907,2883 cw(c4944,2883) 4944,2920 5004,2920 ccw(c5004,2926) v1(5010,2926)
TIM1_CH1: *1.1 P10.2 U1.29 | length 2589.1
  Top Layer w10: v1(4653.75,2572) cw(c4723.53,2502.22) 4723.53,2600.91 U1.29 ; v1(4655,2363) ccw(c4722.6,2430.6) 4722.6,2335 *1.1@5067.02,2335 ; *1.1@5067.02,2332 *1.1@5067.02,2335 ; P10.2 ccw(c5698.2,1712.19) 5698.2,1648 5761,1648 ccw(c5761,1746.83) 5859.83,1746.83 5859.83,2353.18 ccw(c5767,2333) 5767,2428 5108,2428 ccw(c5108,2387.02) 5067.02,2387.02 *1.1@5067.02,2335
  Bottom Layer w10: v1@4653.75,2363 v1(4653.75,2572)
TIM1_CH2: *1.2 P10.1 U1.30 | length 2463.5
  Top Layer w10: v1(4609.5,2572) 4628.8,2591.3 cw(c4699.51,2520.59) 4699.51,2620.59 U1.30 ; v1(4654,2323) 4654,2317 4677.64,2293.36 ccw(c4693,2308.73) 4693,2287 *1.2@5069,2287 ; *1.2@5067.02,2282 5100,2282 ccw(c5100,2317) 5135,2317 5135,2367 cw(c5175,2367) 5175,2407 5758,2407 cw(c5758,2330) 5835,2330 5835,1812.19 cw(c5735,1812.19) 5735,1712.19 P10.1
  Bottom Layer w10: v1(4609.5,2572) 4609.5,2370.5 ccw(c4631.23,2370.5) 4615.86,2355.14 4648,2323 v1(4654,2323)
TIM1_CH3: *.1 U1.31 | length 1275.7
  Top Layer w10: v1(4525,2231) 4525,2150 4526,2149 ccw(c4626,2149) 4626,2049 *.1@5076.02,2049 ; v1(4565.25,2572) 4604.24,2610.99 cw(c4674.95,2540.28) 4674.95,2640.28 U1.31
  Bottom Layer w10: v1(4525,2231) 4526,2232 4526,2491.33 cw(c4626,2491.33) 4555.29,2562.04 v1(4565.25,2572)
TIM1_CH4: *.2 U1.32 | length 1417.3
  Top Layer w10: v1(4472,2184) 4472,2122 4473,2121 ccw(c4572,2121) 4572,2022 4910.69,2022 cw(c4910.69,1994.69) 4930,2014 ccw(c4954.14,2038.14) 4954.14,2004 *.2 ; v1(4521,2572) 4579.67,2630.67 cw(c4650.38,2559.96) 4650.38,2659.96 U1.32
  Bottom Layer w10: v1(4472,2184) 4472,2484.82 4473,2485.82 cw(c4565.18,2485.82) 4500,2551 v1(4521,2572)
TIM2_CH3: P11.1 U1.21 | length 2304
  Top Layer w10: U1.21 4661.89,2430.11 ccw(c4735,2430.11) 4735,2357 4917.93,2357 ccw(c4917.93,2457) 4988.64,2386.29 5021.06,2418.71 cw(c5091.77,2348) 5091.77,2448 5780,2448 cw(c5780,2348) 5880,2348 5880,1632 cw(c5780,1632) 5780,1532 P11.1
TIM2_CH4: P11.2 U1.22 | length 2597.4
  Top Layer w10: U1.22 4681.57,2432.24 ccw(c4734.24,2432.24) 4697,2395 ccw(c4733.21,2431.21) 4733.21,2380 4912.58,2380 ccw(c4912.58,2480) 4983.29,2409.29 5012.71,2438.71 cw(c5083.42,2368) 5083.42,2468 5815.1,2468 cw(c5815.1,2374.1) 5909,2374.1 5909,1538 cw(c5809,1538) 5809,1438 5728.01,1438 cw(c5728.01,1532) P11.2
USART1_RX: P3.3 U1.43 | length 1202.2
  Top Layer w10: P3.3 3712.32,3208.9 ccw(c3783.03,3279.61) 3783.03,3179.61 4328.97,3179.61 cw(c4328.97,3079.61) 4399.68,3150.32 4573.55,2976.45 cw(c4502.83,2905.74) 4602.83,2905.74 U1.43
USART1_TX: P3.4 U1.42 | length 1132.1
  Top Layer w10: P3.4 3791.93,3229.29 ccw(c3862.64,3300) 3862.64,3200 4345.58,3200 cw(c4345.58,3100) 4416.29,3170.71 4593.23,2993.77 cw(c4522.52,2923.06) 4622.52,2923.06 U1.42
USART2_RX: P8.2 U1.13 | length 1722.4
  Top Layer w10: v1(4159,2112) 4207.58,2112 ccw(c4207.58,2212) 4278.29,2141.29 4475.12,2338.12 ccw(c4404.41,2408.83) 4504.41,2408.83 U1.13
  Bottom Layer w10: v1(4159,2112) 4159,1919 ccw(c4203,1919) 4203,1875 4637.58,1875 cw(c4637.58,1775) 4708.29,1845.71 4708.71,1845.29 ccw(c4779.42,1916) 4779.42,1816 4947.38,1816 cw(c4947.38,1716) 5018.09,1786.71 P8.2
USART2_TX: P8.3 U1.12 | length 1773.5
  Top Layer w10: v1@4114,2151 4139,2151 ccw(c4139,2251) 4239,2251 4239,2422.17 cw(c4339,2422.17) 4339,2522.17 U1.12
  Bottom Layer w10: v1(4114,2143) 4114,1938 ccw(c4204,1938) 4204,1848 4637.64,1848 cw(c4637.64,1762.64) 4698,1823 4698.71,1822.29 ccw(c4769.42,1893) 4769.42,1793 4870.38,1793 cw(c4870.38,1693) 4941.09,1763.71 P8.3
VCC: P6.2 S1.2 | length 471.1
  Bottom Layer w60: P6.2 cw(c3906.32,1670.02) 3906.32,1746.04 S1.2
pads on no net: P3.5 P8.5 P?.5 P?.6 S1.1 U1.1 U1.2 U3.8
copper on no net:
  other v2: 5511.75,2800.77 5684.97,2800.77

## Polygon pours and split planes (outlines as drawn)
AGND on Bottom Layer "Top Layer-No Net" (hatched 90Degree grid 20 track 8, remove dead copper, pour order 2): 3503.94,3385.83 3446.46,3385.83 ccw(c3446.46,3285.83) 3346.46,3285.83 3346.46,3149 3346.46,1477.95 ccw(c3446.46,1477.95) 3446.46,1377.95 3559,1377.95 5844.88,1377.95 ccw(c5844.88,1477.95) 5944.88,1477.95 5944.88,1957 5944.88,3285.83 ccw(c5844.88,3285.83) 5844.88,3385.83 5734,3385.83
AGND on Top Layer "Top Layer-No Net" (hatched 90Degree grid 20 track 8, remove dead copper, pour order 4): 3540,3385.83 3446.46,3385.83 ccw(c3446.46,3285.83) 3346.46,3285.83 3346.46,3183 3346.46,1477.95 ccw(c3446.46,1477.95) 3446.46,1377.95 3528,1377.95 5844.88,1377.95 ccw(c5844.88,1477.95) 5944.88,1477.95 5944.88,1542 5944.88,3285.83 ccw(c5844.88,3285.83) 5844.88,3385.83 5769,3385.83

## Keep-outs
Keep-Out Layer:
  the board outline again, w10

## Other copper
Top Layer:
  rectangle net Net*1_7: 5224,2282 5459,2342
  rectangle net Net*1_5: 5233,2171 5727,2242
  rectangle net Net*_5: 5230,1894 5726,1955
  rectangle net Net*_7: 5236,1996 5716,2066
Bottom Layer:
  rectangle net 3.3V: 4083,2834 4153,2960
  rectangle net 3.3V: 3966,2915 4153,2960
  rectangle net AGND: 4281,2932 4449,3005
  rectangle net 5V: 4280,2830 4447,2902
  rectangle net AGND: 4685,2113 5155,2196

## Silkscreen, mask and mechanical layers (free items; w line width, h text height)
Top Overlay:
  text "DIO" at 5436,3323 h60
  text "CLK" at 5536,3323 h60
  text "B5" at 4348,3319.7 h80
  text "B3" at 4549,3319.7 h80
  text "A15" at 4632,3319.7 h80
  text "B4" at 4451,3319 h80
  text "Tx" at 3632,3315 h90
  text "Rx" at 3729,3315 h90
  text "SDA" at 5535,2998 h60
  text "SCL" at 5646,2997 h60
  text "A12" at 5891,2914 h80 r270
  text "B13" at 5891,2773 h80 r270
  text "B15" at 5296,2690 h80 r90
  text "B12" at 5891,2628 h80 r270
  text "B14" at 5296.7,2553 h80 r90
  text "Boot0/1" at 4925,2473 h80
  text "Rx" at 4947,1617 h90
  text "Tx" at 5045,1616 h90
  text "A8" at 5596,1602 h80
  text "A9" at 5699,1602 h80
  text "A5" at 4826.14,1431 h80
  text "A4" at 4928.71,1431 h80
  text "A7" at 5133.86,1431 h80
  text "A0" at 4621,1430.3 h80
  text "A1" at 4723.57,1430.3 h80
  text "A6" at 5031.29,1430.3 h80
  text "B0" at 5236.43,1430.3 h80
  text "B1" at 5339,1430.3 h80
  text "B11" at 5580,1425 h80
  text "B10" at 5695,1425 h80

## Text inside footprints (layer, text, board x,y; h text height)
C4: Top Overlay "+" at 4800,1896 h78.74 r90
Designator52: Top Overlay "5V" at 3493,3371 h40 r180
Designator52_1: Top Overlay "5V" at 5153,1615 h40
Designator53: Top Overlay "5V" at 3989,2000 h40 r90
Designator54: Top Overlay "5V" at 3465,2436 h40 r270
Designator54: Top Overlay "5V" at 5860,2985 h40
Designator54: Top Overlay "3.3V" at 5408,3370 h40 r180
Designator55: Top Overlay "7.2V" at 3792,1405 h40
Designator55: Top Overlay "7.2V" at 3988,1895 h40 r90
Designator55: Top Overlay "3.3V" at 3990,2069 h40 r90
Designator55: Top Overlay "3.3V" at 4828,3377 h40 r180
Designator56: Top Overlay "3.3V" at 5208,2743 h40 r90
Designator58: Top Overlay "集" at 4443.9,2142.74 h30; Top Overlay "大" at 4548.9,2142.74 h30; Top Overlay "电" at 4475.9,2107.74 h30; Top Overlay "协" at 4512.9,2107.74 h30
P4: Top Overlay "V" at 5804.11,2030.94 h50 r90; Top Overlay "V" at 5804.11,1889.2 h50 r90
P5: Top Overlay "V" at 5803.55,2336.78 h50 r90; Top Overlay "V" at 5803.55,2195.05 h50 r90
P6: Top Overlay "V" at 3613.76,1551.91 h50; Top Overlay "V" at 3810.61,1551.91 h50